# Altium PCB MB1292.PcbDoc (part 4 of 4)
Units mm, origin at the board's own origin, x right, y up, seen from the top; angles counter-clockwise.
Board outline 103.83 x 65.19 mm, 4 copper layers (L1, L2, L3, L4), stack 1.512 mm thick; 185 components, 157 nets, 707 pads, 942 vias.
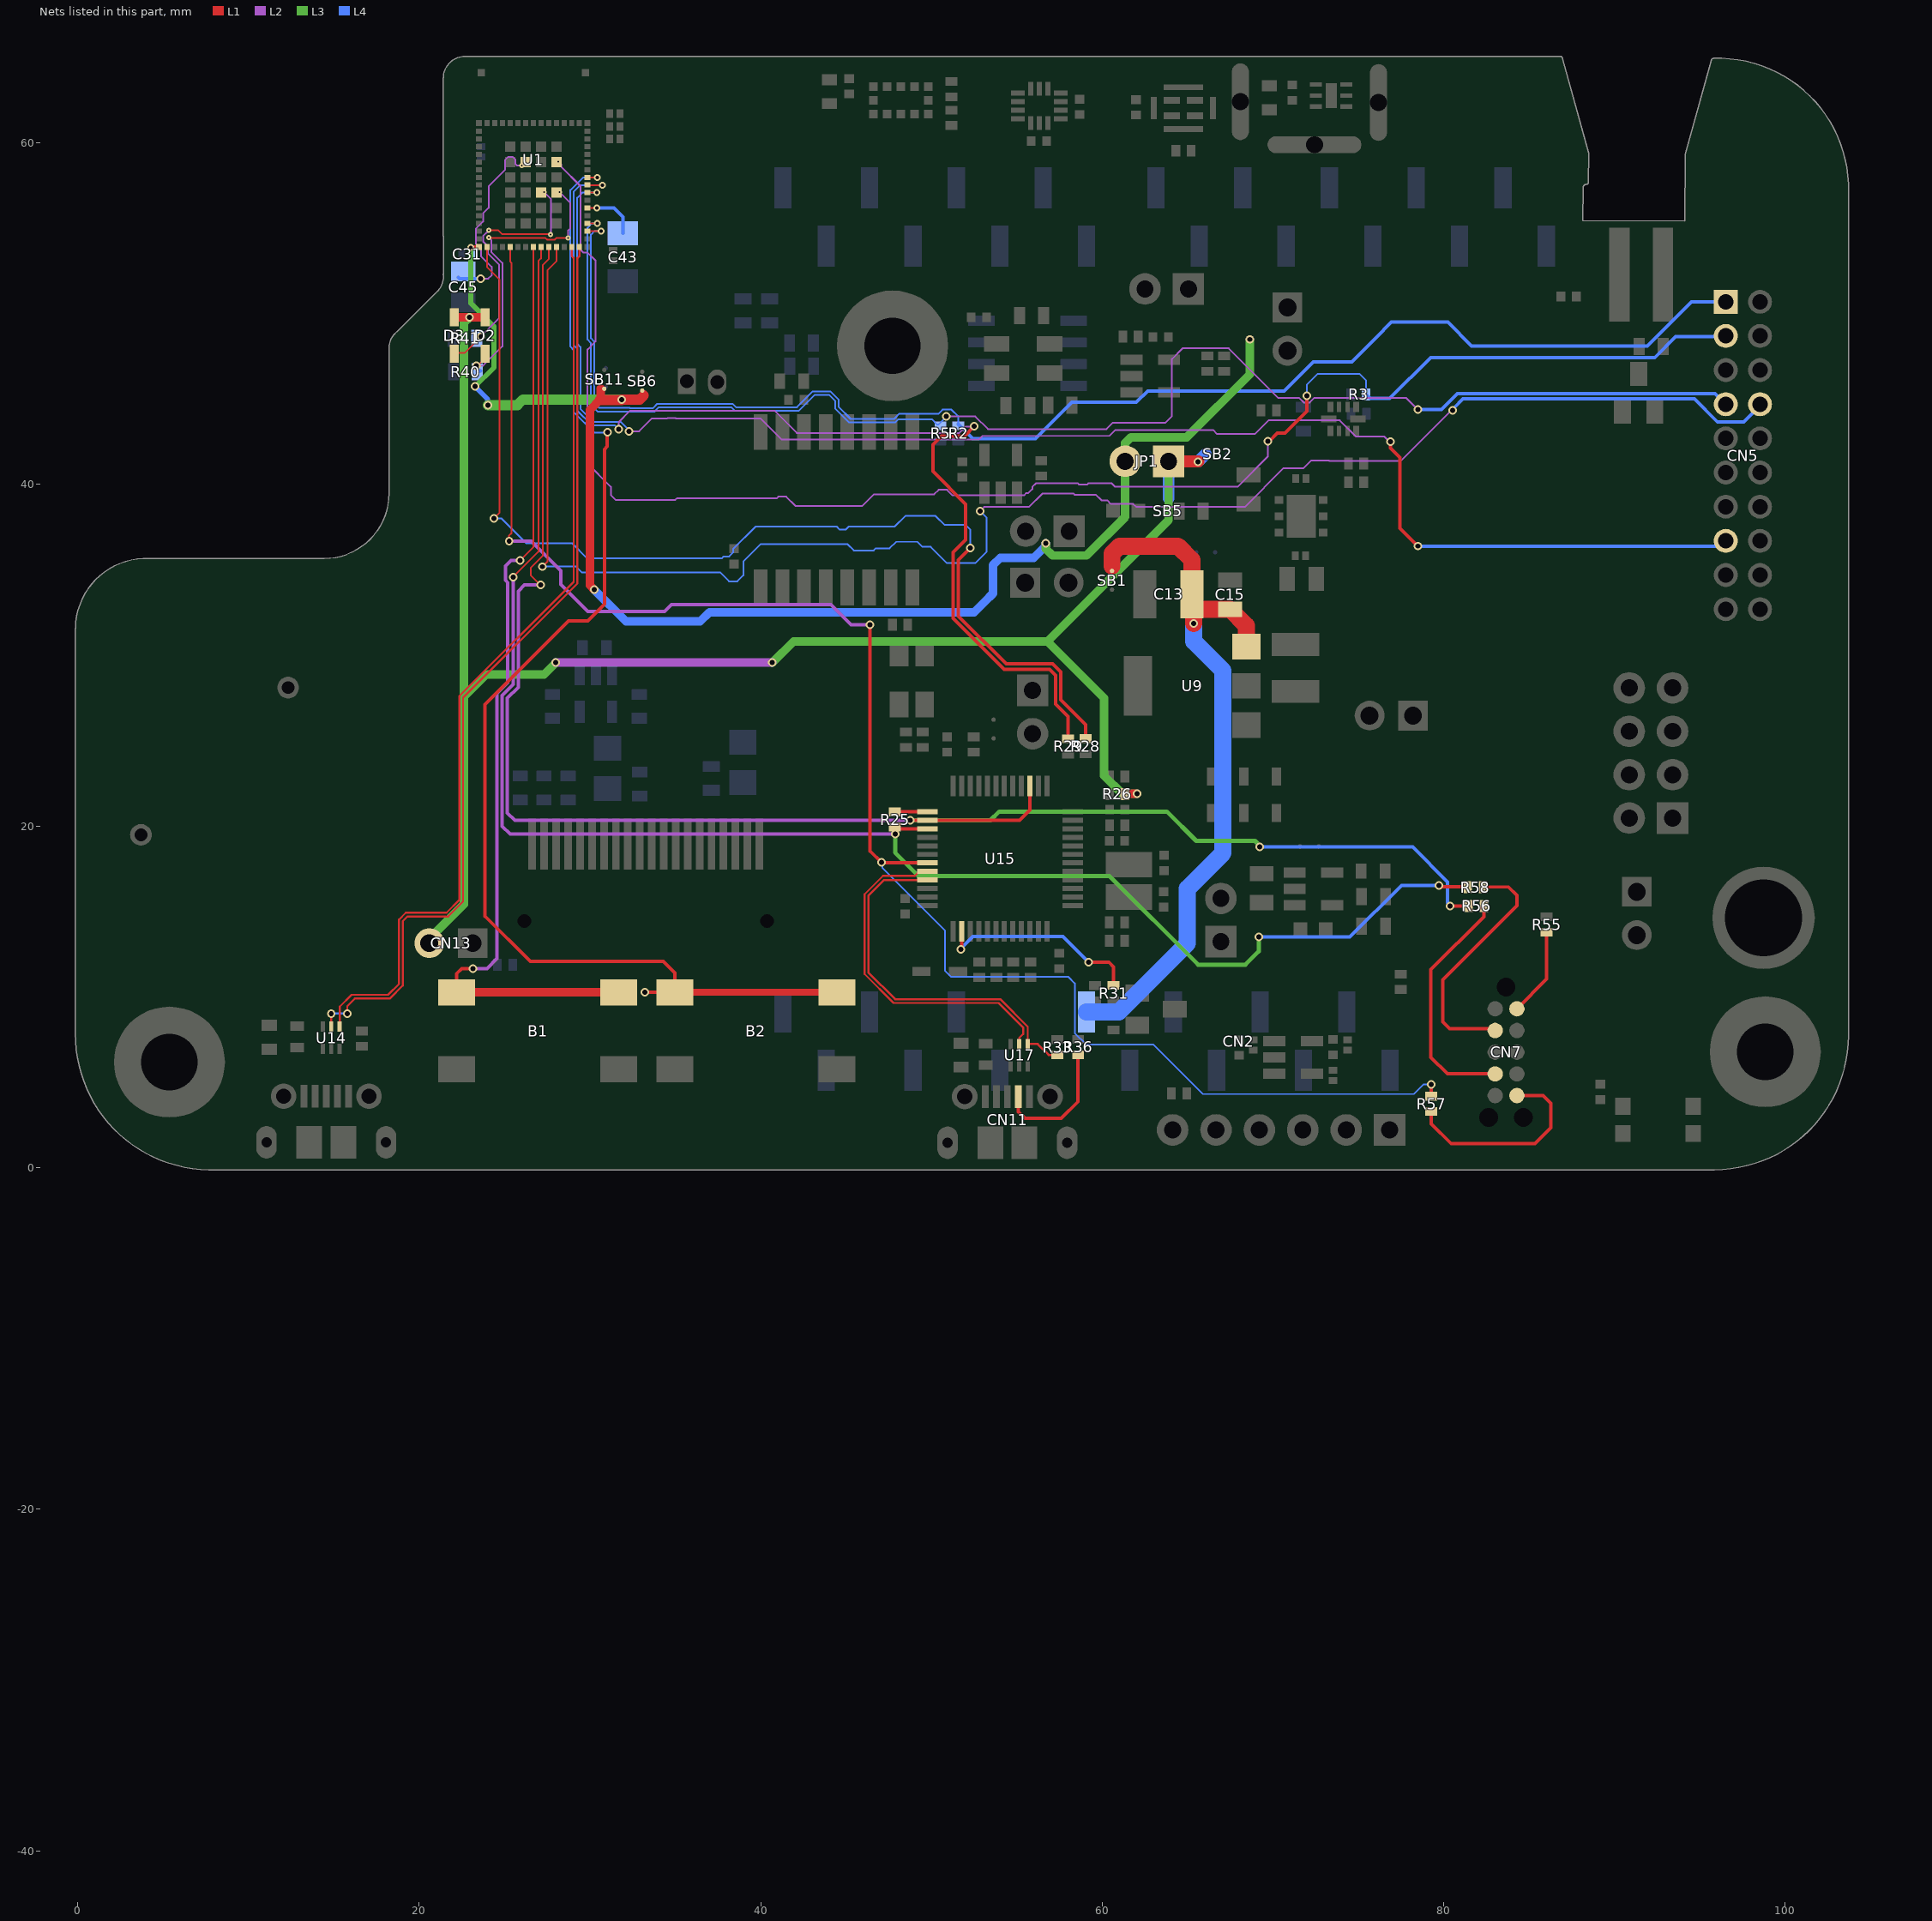
[diagram p6: the nets of this part, all layers, seen from the top]

## Via types
v1: diameter 0.5, hole 0.3, L1 to L4, tented both sides, 847 vias
v2: diameter 0.3, hole 0.1, L1 to L2, tented both sides, 48 vias
v3: diameter 0.4, hole 0.2, L1 to L4, tented both sides, 38 vias
v4: diameter 0.5, hole 0.3, L1 to L4, 4 vias
v5: diameter 0.6, hole 0.3, L1 to L4, tented both sides, 3 vias
v6: diameter 0.3, hole 0.2, L1 to L4, tented both sides, 1 vias
v7: diameter 0.5/0.5/0.5/0.5 (per signal layer), hole 0.3, L1 to L4, tented both sides, 1 vias

## Nets (pads, with @x,y where several pads share a name; then routed paths per layer and width w, separated by ;. In a path a pad name is that pad's centre, name@x,y a point inside that pad or via, vN(x,y) a via of type N, cw(c..) or ccw(c..) an arc to the next point about the centre after c; other vN are vias at no path point) (continued)
STMOD+.SPI2_MOSI: CN5.2 R3.2 U1.73 | length 94.8
  L1 w0.2: v1(69.702,42.53) 69.788,42.53 70.259,43.001 70.699,43.001 71.975,44.277 v1(71.975,45.201)
  L2 w0.1: v2(28.154,58.906) 28.315,58.745 28.315,58.608 29.454,57.469 29.454,53.739 29.606,53.587 29.848,53.587 30.333,53.102 30.333,48.375 30.293,48.335 30.293,48.333 29.883,47.923 29.881,47.923 29.845,47.887 29.845,41.25 31.23,39.865 31.23,39.376 31.512,39.094 35,39.094 35.095,39.189 40.947,39.189 41.038,39.28 41.502,39.28 42.034,38.748 44.388,38.748 44.391,38.751 45.219,38.751 45.222,38.748 45.956,38.748 46.635,39.427 50.161,39.427 50.421,39.687 50.919,39.687 51.241,39.365 55.42,39.365 55.55,39.495 55.673,39.495 55.907,39.729 55.907,39.852 56.124,40.069 58.565,40.069 58.637,39.997 59.135,39.997 59.207,40.069 60.549,40.069 60.738,39.88 67.945,39.88 69.702,41.637 v1(69.702,42.53)
  L4 w0.1: v1(71.975,45.201) 71.975,45.84 72.601,46.466 75.076,46.466 75.456,46.086 R3.2@75.456,45.277
  L4 w0.2: R3.2@75.456,45.277 75.697,45.036 76.832,45.036 79.232,47.436 92.359,47.436 93.581,48.658 96.479,48.658 CN5.2@96.518,48.697
STMOD+.SPI2_MOSI2: CN5.8 U1.38 | length 89.3
  L1 w0.1: U1.38@29.867,57.085 v3(30.412,57.085)
  L1 w0.2: U1.38@29.865,57.083 U1.38@29.867,57.085 ; v1(76.88,42.512) 76.88,42.13 77.437,41.573 77.437,37.437 v1@78.489,36.385
  L2 w0.1: v1(32.289,43.119) 32.883,43.119 33.635,43.871 34.535,43.871 34.538,43.874 35.036,43.874 35.039,43.871 39.995,43.871 41.247,42.619 52.759,42.619 52.984,42.844 60.423,42.844 60.77,43.191 66.491,43.191 66.736,42.946 68.942,42.946 69.746,43.75 73.911,43.75 74.854,42.807 76.526,42.807 76.88,42.453 v1(76.88,42.512)
  L4 w0.1: v3(30.412,57.085) 29.558,57.085 29.259,56.786 29.259,48.234 29.45,48.043 29.45,44.422 30.203,43.668 31.808,43.668 32.289,43.188 v1(32.289,43.119)
  L4 w0.2: v1@78.494,36.388 95.885,36.388 96.193,36.697 CN5.8@96.518,36.697
  L4 w0.3: v1(78.491,36.392) v1@78.494,36.388
STMOD+.SPI2_NSS: CN5.1 R2.2 U1.33 | length 85.1
  L1 w0.1: U1.33@29.865,54.833 29.87,54.838 v3(30.669,54.838)
  L4 w0.1: v3(30.669,54.838) 30.27,54.838 30.059,54.627 30.059,48.565 30.25,48.374 30.25,44.767 30.54,44.477 32.331,44.477 32.334,44.474 33.704,44.474 33.948,44.718 38.364,44.718 38.56,44.522 42.122,44.522 43.035,45.435 44.104,45.435 44.576,44.963 44.576,44.532 45.271,43.837 47.81,43.837 48.103,44.13 50.398,44.13 50.653,44.385 51.171,44.385 51.58,43.976 51.58,43.527 R2.2@51.58,43.442
  L4 w0.2: R2.2@51.58,43.527 52.433,42.674 56.098,42.674 58.23,44.806 61.996,44.806 62.669,45.479 70.657,45.479 72.352,47.174 74.618,47.174 76.024,48.58 76.943,49.499 80.235,49.499 81.627,48.107 91.921,48.107 94.511,50.697 CN5.1@96.518,50.697
STMOD+.SPI2_SCK: CN5.4 R5.2 U1.34 | length 86.8
  L1 w0.1: U1.34@29.869,55.287 v3(30.444,55.287)
  L1 w0.2: U1.34@29.865,55.283 U1.34@29.869,55.287
  L2 w0.1: v1(50.878,43.985) 52.574,43.985 53.315,43.244 60.258,43.244 60.63,43.617 63.705,43.617 64.08,43.992 64.08,47.344 64.705,47.969 67.414,47.969 70.319,45.064 71.546,45.064 71.809,44.801 72.141,44.801 72.404,45.064 77.81,45.064 v1@78.489,44.385
  L4 w0.1: v3(30.444,55.287) 30.124,55.287 29.859,55.022 29.859,48.482 30.05,48.291 30.05,44.67 30.446,44.274 33.787,44.274 34.031,44.518 38.281,44.518 38.477,44.322 42.245,44.322 43.158,45.235 44.021,45.235 44.376,44.88 44.376,44.43 45.169,43.637 47.893,43.637 48.075,43.819 50.025,43.819 50.338,43.506 50.399,43.506 v1(50.878,43.985)
  L4 w0.2: v1(78.496,44.397) 79.87,44.397 80.794,45.321 95.893,45.321 CN5.4@96.518,44.697
STMOD+.TIM2_CH1: CN5.14 U1.27 | length 100.6
  L1 w0.1: v1(27.228,35.187) 27.517,35.476 27.517,52.541 28.04,53.064 U1.27@28.04,53.908
  L2 w0.1: v1(52.852,38.442) 53.089,38.679 55.711,38.679 56.5,39.468 58.318,39.468 58.389,39.397 59.631,39.397 59.959,39.069 60.291,39.069 60.296,39.074 60.507,38.863 61.812,38.863 61.996,38.679 68.353,38.679 70.625,40.952 71.789,40.952 72.248,41.411 73.269,41.411 73.31,41.37 73.808,41.37 73.823,41.385 77.489,41.385 v1@80.486,44.383
  L4 w0.1: v1(27.228,35.187) 29.191,35.187 29.522,34.856 37.616,34.856 38.144,34.328 38.642,34.328 38.993,34.679 38.993,35.491 40.015,36.513 45.072,36.513 45.452,36.133 46.621,36.133 46.748,36.26 47.552,36.26 47.935,36.643 49.181,36.643 49.482,36.342 49.957,36.342 50.909,35.39 52.57,35.39 53.224,36.044 53.224,38.07 v1(52.852,38.442)
  L4 w0.2: v1(80.533,44.336) 80.59,44.393 80.59,44.476 81.136,45.021 94.671,45.021 96.026,43.666 97.563,43.666 98.518,44.621 CN5.14@98.518,44.697
T_SWCLK: R56.2 U1.26 U15.15 U15.26 | length 103.6
  L1 w0.1: v1(27.118,34.109) 26.539,34.688 26.539,35.12 27.25,35.831 27.25,52.855 27.59,53.195 U1.26@27.59,53.908
  L1 w0.2: v1@48.773,20.341 U15.26@49.772,20.341 55.163,20.341 55.772,20.95 U15.15@55.772,22.341 ; v1@80.383,15.317 R56.2@81.454,15.317
  L1 w0.3: v1(48.764,20.332) v1@48.773,20.341 ; v1(80.379,15.321) v1@80.383,15.317
  L2 w0.2: v1(27.118,34.109) 26.171,34.109 25.809,33.747 25.809,28.122 25.167,27.48 25.167,20.774 25.609,20.332 v1(48.764,20.332)
  L3 w0.254: v1(48.764,20.332) 53.458,20.332 53.973,20.847 63.785,20.847 65.506,19.126 68.949,19.126 69.098,18.977 69.098,18.96 69.221,18.837 v1(69.221,18.77)
  L4 w0.2: v1(69.221,18.77) 78.192,18.77 80.23,16.732 80.23,15.524 v1@80.379,15.375
  L4 w0.3: v1(80.379,15.321) v1@80.379,15.375
T_SWDIO: R25.1 R58.2 U1.25 U15.27 | length 99.9
  L1 w0.1: v1(25.509,34.574) 26.99,36.055 26.99,53.08 27.14,53.23 U1.25@27.14,53.908
  L1 w0.2: R25.1@47.858,19.926 47.943,19.841 U15.27@49.772,19.841 ; v1@79.8,16.455 R58.2@81.358,16.455
  L1 w0.3: v1(79.73,16.525) v1@79.8,16.455 ; R58.2@81.358,16.455 R58.2@81.397,16.416
  L2 w0.2: v1(25.509,34.574) 25.509,28.285 24.867,27.643 24.867,19.993 25.326,19.534 v1(47.877,19.534)
  L3 w0.254: v1(47.877,19.534) 47.877,18.443 49.257,17.063 60.437,17.063 65.617,11.883 68.389,11.883 69.165,12.659 v1(69.165,13.505)
  L4 w0.2: v1(69.165,13.505) 74.507,13.505 77.527,16.525 v1(79.73,16.525)
  L4 w0.3: v1(47.877,19.534) v1@47.914,19.497
T_SWDIO_IN: R25.2 U15.25 | length 1.9
  L1 w0.2: R25.2@47.858,20.826 47.873,20.841 U15.25@49.772,20.841
T_SWO: R57.1 U1.21 U15.31 | length 100.2
  L1 w0.1: v1(25.274,36.685) 25.274,37.018 25.412,37.156 25.412,52.967 25.34,53.039 U1.21@25.34,53.908
  L1 w0.2: v1(46.405,31.796) 46.405,18.54 47.104,17.841 U15.31@49.772,17.841 ; R57.1@79.269,4.18 v1@79.269,4.865
  L1 w0.3: v1@79.269,4.865 v1(79.278,4.874)
  L2 w0.2: v1(25.274,36.685) 26.562,36.685 28.309,34.938 28.309,34.137 29.883,32.563 34.369,32.563 34.777,32.971 44.117,32.971 45.292,31.796 v1(46.405,31.796)
  L4 w0.1: v1(47.083,17.88) 47.12,17.843 47.12,17.552 50.785,13.887 50.785,11.54 51.162,11.163 58.027,11.163 58.397,10.793 58.397,7.878 59.061,7.214 62.994,7.214 65.903,4.305 78.249,4.305 78.818,4.874 v1(79.278,4.874)
TAG_NRST: CN7.10 R55.1 | length 5.2
  L1 w0.2: CN7.10@84.284,9.297 86.023,11.036 R55.1@86.023,13.78
TAG_SWCLK: CN7.4 R56.1 | length 14.3
  L1 w0.2: R56.1@82.354,15.317 82.354,14.693 79.25,11.589 79.25,6.454 80.217,5.487 CN7.4@83.014,5.487
TAG_SWDIO: CN7.2 R58.1 | length 14.7
  L1 w0.2: R58.1@82.313,16.432 83.785,16.432 84.279,15.938 84.279,15.348 79.933,11.002 79.933,8.546 80.337,8.142 CN7.2@82.899,8.142
  L1 w0.3: R58.1@82.297,16.416 R58.1@82.313,16.432 ; CN7.2@82.899,8.142 CN7.2@83.014,8.027
TAG_SWO: CN7.6 R57.2 | length 12.3
  L1 w0.2: R57.2@79.269,3.28 79.269,2.569 80.434,1.404 85.338,1.404 86.272,2.338 86.272,3.761 85.816,4.217 CN7.6@84.284,4.217
  L1 w0.3: CN7.6@84.284,4.055 CN7.6@84.284,4.217
TSC_G4_IO1: C43.2 U1.36 | length 3.2
  L1 w0.1: U1.36@29.866,56.184 v3(30.411,56.184)
  L1 w0.2: U1.36@29.865,56.183 U1.36@29.866,56.184
  L4 w0.2: v3(30.411,56.184) 31.405,56.184 31.931,55.658 C43.2@31.931,54.703
TSC_G4_IO2: D2.2 R40.1 U1.71 | length 17.6
  L1 w0.1: v1(23.349,46.956) 23.44,46.956 23.867,47.383 D2.2@23.867,47.643 ; v2@24.092,54.425 27.405,54.425 27.5,54.33 27.939,54.33 28.035,54.426 v2(28.735,54.426)
  L2 w0.1: v1(23.349,46.956) 23.746,46.956 24.874,48.084 24.874,52.965 24.244,53.595 24.244,54.293 v2(24.092,54.445) ; v2(28.23,57.106) 28.854,56.482 28.854,54.996 28.735,54.877 v2(28.735,54.426)
  L4 w0.2: R40.1@23.408,46.588 23.467,46.647 R40.1@23.612,46.647
TSC_G6_IO1: C45.1 U1.77 | length 11.3
  L2 w0.1: v1(23.602,52.048) 24.053,52.048 24.249,52.244 24.249,52.742 23.642,53.349 23.642,53.768 23.324,54.086 23.324,54.963 23.751,55.39 23.751,55.871 24.072,56.192 24.072,57.462 25.04,58.43 25.04,59.007 25.216,59.183 25.464,59.183 25.64,59.007 25.64,58.759 25.723,58.676 v2(26.02,58.676)
  L4 w0.2: C45.1@22.307,52.112 22.371,52.048 v1(23.602,52.048)
TSC_G6_IO2: D3.2 R41.1 U1.82 | length 16
  L1 w0.1: D3.2@22.064,47.535 22.227,47.698 22.672,47.698 23.625,48.651 v1(23.625,48.666) ; v2(24.081,54.876) 24.638,54.876 24.852,54.662 27.673,54.662 v2(27.705,54.63)
  L2 w0.1: v1(23.625,48.666) 24.674,49.715 24.674,52.882 24.042,53.514 24.042,53.934 23.745,54.231 23.745,54.536 24.081,54.872 v2(24.081,54.876) ; v2(27.33,57.106) 27.713,56.723 27.713,54.638 v2(27.705,54.63) v2@27.593,54.63
  L4 w0.15: R41.1@23.364,48.541 23.5,48.541 v1(23.625,48.666)
  L4 w0.2: R41.1@23.364,48.541 R41.1@23.384,48.561
USB_N: U1.30 U14.2 | length 54.8
  L1 w0.12: U14.2@14.855,8.25 v1(14.855,9.023) ; v1(15.795,9.023) 15.795,9.455 16.235,9.895 18.275,9.895 19.046,10.666 19.046,14.43 19.318,14.702 21.703,14.702 22.577,15.576 22.577,27.513 29.275,34.211 29.275,53.258 29.39,53.373 U1.30@29.39,53.908
  L4 w0.12: v1(14.855,9.023) v1(15.795,9.023)
USB_P: U1.29 U14.1 | length 53.9
  L1 w0.12: U14.1@15.355,8.25 15.355,9.428 16.042,10.115 18.184,10.115 18.826,10.757 18.826,14.521 19.227,14.922 21.612,14.922 22.357,15.667 22.357,27.604 29.055,34.302 29.055,53.259 28.948,53.366 U1.29@28.948,53.77
USB_RENUMn: R31.2 U15.38 | length 12.2
  L1 w0.2: v1(51.736,12.782) 51.772,12.818 U15.38@51.772,13.841 ; v1(59.203,12.02) 60.398,12.02 60.673,11.745 R31.2@60.673,10.668
  L4 w0.2: v1(51.736,12.782) 51.685,12.782 52.434,13.531 57.692,13.531 v1(59.203,12.02)
USB_STLK_ID: CN11.4 R36.2 | length 7.7
  L1 w0.2: CN11.4@55.099,4.157 55.099,3.272 55.484,2.887 57.606,2.887 58.591,3.872 R36.2@58.591,6.611
USB_STLK_N: U15.32 U17.2 | length 20.6
  L1 w0.12: U15.32@49.772,17.341 49.296,17.341 49.038,17.083 47.164,17.083 46.087,16.006 46.087,11.338 47.784,9.641 53.937,9.641 55.368,8.21 55.368,7.823 55.139,7.594 U17.2@55.139,7.234
USB_STLK_P: R33.1 U15.33 U17.1 | length 22
  L1 w0.12: U15.33@49.772,16.841 47.233,16.841 46.307,15.915 46.307,11.429 47.875,9.861 54.028,9.861 55.639,8.25 U17.1@55.639,7.234 56.226,7.234 56.863,6.597 R33.1@57.374,6.597
User-B1: B1.1 B1.2 U1.24 | length 56.3
  L1 w0.1: v1(25.92,35.557) 26.69,36.327 U1.24@26.69,53.908
  L1 w0.2: B1.1@22.195,10.257 22.195,11.36 22.491,11.656 v1(23.144,11.656)
  L1 w0.5: B1.1@22.195,10.257 B1.2@31.695,10.257
  L2 w0.2: v1(23.144,11.656) 23.98,11.656 24.567,12.243 24.567,27.767 25.189,28.389 25.189,34.258 25.059,34.388 25.059,35.225 25.391,35.557 v1(25.92,35.557)
User-B2: B2.1 B2.2 U1.40 | length 74.9
  L1 w0.1: U1.40@29.865,57.983 v3@30.428,57.983
  L1 w0.2: v3@30.428,57.983 v3(30.444,57.967) ; v1(31.035,43.052) 31.021,43.038 31.021,42.226 30.86,42.065 30.86,32.983 29.887,32.01 28.748,32.01 23.847,27.109 23.847,14.724 26.506,12.065 34.307,12.065 34.972,11.4 B2.1@34.972,10.257 v1(33.23,10.257)
  L1 w0.4: B2.1@34.972,10.257 B2.2@44.472,10.257
  L4 w0.1: v3(30.444,57.967) 29.593,57.967 28.859,57.233 28.859,48.068 29.05,47.877 29.05,44.255 30.272,43.033 31.016,43.033 v1(31.035,43.052)
VCP_RX: R28.2 U1.18 | length 64
  L1 w0.1: U1.18@23.99,53.908 23.99,52.714 24.712,51.992 24.712,38.344 v1(24.381,38.013)
  L1 w0.2: v1(52.287,36.288) 51.58,35.581 51.58,32.29 54.377,29.493 57.093,29.493 57.571,29.015 57.571,27.398 59.026,25.943 R28.2@59.026,25.119
  L4 w0.1: v1(24.381,38.013) 24.811,38.013 26.267,36.557 28.953,36.557 29.842,35.668 37.719,35.668 37.837,35.786 38.157,35.786 38.391,36.02 38.391,36.21 39.714,37.533 44.457,37.533 44.639,37.351 44.971,37.351 45.153,37.533 47.851,37.533 48.475,38.157 50.242,38.157 50.775,37.624 52.002,37.624 52.287,37.339 v1(52.287,36.288)
VCP_TX: R29.1 U1.39 | length 66.2
  L1 w0.1: U1.39@29.865,57.533 29.87,57.528 v3(30.726,57.528)
  L1 w0.2: v1(52.505,43.398) 51.947,42.84 50.591,42.84 50.083,42.332 50.083,40.778 52.012,38.849 52.012,36.767 51.271,36.026 51.271,32.16 54.263,29.168 56.93,29.168 57.271,28.827 57.271,27.141 58.01,26.402 R29.1@58.01,25.112
  L2 w0.1: v1(31.679,43.232) 31.679,43.634 32.364,44.319 40.815,44.319 42.115,43.019 51.636,43.019 51.989,43.372 52.479,43.372 v1(52.505,43.398)
  L4 w0.1: v3(30.726,57.528) 29.437,57.528 29.059,57.15 29.059,48.151 29.25,47.96 29.25,44.339 30.121,43.468 31.443,43.468 v1(31.679,43.232)
VDD: C31.2 JP1.2 SB6.1 SB11.1 U1.17 | length 86.7
  L1 w0.2: v3(23.032,53.883) 23.044,53.895 23.502,53.895 U1.17@23.515,53.908
  L1 w0.5: v1(30.264,33.835) 30.005,34.094 30.005,44.365 30.591,44.951 ; 30.628,45.614 30.628,44.969 v1(31.859,44.969)
  L1 w0.6: 30.591,44.951 31.859,44.951 v1(31.859,44.969) 32.921,44.969 33.158,45.206
  L3 w0.3: v3(23.032,53.883) 23.032,50.602 24.38,49.254 24.38,46.845 23.276,45.741 v1@23.276,45.733
  L3 w0.5: v1(56.701,36.546) 56.701,36.235 57.097,35.839 59.087,35.839 61.349,38.101 JP1.2@61.349,41.355 61.349,42.423 61.68,42.754 64.947,42.754 68.648,46.455 v1(68.648,48.493)
  L3 w0.6: v1(24.031,44.645) 25.758,44.645 ; 25.757,44.645 26.081,44.969 v1(31.859,44.969)
  L4 w0.2: 53.133,33.021 53.133,33.146 53.133,33.171
  L4 w0.3: v1@23.276,45.733 24.009,45 24.009,44.667 v1(24.031,44.645)
  L4 w0.5: v1(30.264,33.835) 32.118,31.981 36.466,31.981 37.003,32.518 52.505,32.518 53.133,33.146 53.596,33.609 53.596,35.274 54.031,35.709 55.999,35.709 56.701,36.411 v1(56.701,36.546)
  other v1: 23.272,45.733
VDD_AUX: CN13.2 D2.1 D3.1 JP1.1 R26.1 SB2.2 SB5.2 | length 104.8
  L1 w0.2: R26.1@61.33,21.875 R26.1@61.339,21.884
  L1 w0.5: D3.1@22.292,49.786 22.298,49.792 v1(22.961,49.792) D2.1@23.688,49.792 ; R26.1@61.339,21.884 v1(62.035,21.884)
  L1 w0.7: JP1.1@63.889,41.355 v1@65.628,41.355
  L2 w0.5: v1(27.998,29.572) v1(40.673,29.572)
  L3 w0.5: CN13.2@20.602,13.141 20.602,13.401 22.625,15.424 22.625,27.567 ; v1(22.961,49.792) 22.622,49.453 22.622,45.645 22.625,45.642 22.625,27.567 ; v1@27.992,29.553 27.315,28.876 23.934,28.876 22.625,27.567 ; v1(40.673,29.572) 40.69,29.572 41.931,30.813 56.789,30.813 ; v1(62.035,21.884) 61.176,21.884 60.114,22.946 60.114,27.488 56.789,30.813 ; JP1.1@63.889,41.355 63.889,37.913 56.789,30.813
  L4 w0.7: 63.889,39.196 JP1.1@63.889,41.355 ; v1@65.628,41.355 66.052,41.779
  other v1: 65.609,41.328
VIN: C13.1 C15.2 CN2.8 SB1.2 U9.3 | length 42.4
  L1 w1: 60.576,35.219 60.576,35.955 61.008,36.387 64.437,36.387 65.253,35.571 C13.1@65.253,33.568 C13.1@65.253,32.692 ; v1(65.365,31.854) 65.365,32.581 C13.1@65.253,32.692 ; U9.3@68.45,30.508 68.45,31.727 C15.2@67.485,32.692 C13.1@65.253,32.692
  L4 w1: CN2.8@59.083,9.119 60.977,9.119 64.988,13.13 64.988,16.335 67.074,18.421 67.074,29.099 65.365,30.808 v1(65.365,31.854)
pads on no net: CN7.7 CN7.8 CN7.9 CN7.11 CN7.12 CN7.13 CN9.5 Designator1.1 U1.85 U4.7 U5.9 U5.10 U5.11 U6.8 U8.3 U8.4 U8.5 U8.6 U8.11 U8.12 U8.13 U10.3 U10.5 U14.4 U15.4 U15.11 U15.14 U15.16 U15.17 U15.19 U15.22 U15.29 U15.40 U15.41 U15.42 U15.43 U15.45 U15.46 U17.4 U18.5 U18.7 U19.H1

## Polygon pours and split planes (outlines as drawn)
GND on L2 "GND_L02_P037" (solid, remove dead copper, pour order 37): 21.597,62.333 29.289,62.333 29.289,64.93 34.991,64.93 36.991,64.925 103.621,64.925 103.621,0.017 -1.609,0.017 -1.609,10.823 13.963,10.823 18.712,15.571 21.597,18.456 21.588,52.993 21.588,62.273 21.562,62.273
GND on L1 "GND_L01_P031" (solid, remove dead copper, pour order 31): 21.591,62.334 29.283,62.334 29.283,64.931 34.985,64.931 36.985,64.926 103.621,64.926 103.621,0.018 -2.084,0.018 -2.084,10.814 13.902,10.814 21.591,18.503 21.582,52.994 21.582,62.274 21.556,62.274
NetR41_2 on L1 "NETR41_2_L01_P010" (solid, remove dead copper, pour order 10): 17.292,32.887 17.292,16.86 1.265,16.86 1.265,32.887
Shield on L1 "SHIELD_L01_P002" (hatched 45Degree grid 0.4 track 0.15, pour order 2): 19.171,47.727 21.278,49.621 21.278,35.762 15.194,29.677 14.018,30.853 19.171,36.006
Shield on L3 "SHIELD_L03_P014" (hatched 45Degree grid 0.508 track 0.203, pour order 14): 19.182,47.748 19.182,36.088 15.576,32.527 14.269,31.22 14.269,31.175 14.269,31.22 ccw(c9.077,24.013) 7.142,32.682 ccw(c9.331,24.854) 1.561,22.465 ccw(c9.339,25.115) 8.164,16.982 ccw(c9.215,24.716) 13.94,18.504 ccw(c9.205,24.994) 17.143,23.757 ccw(c8.834,24.903) 15.514,29.975 15.514,29.789 21.278,35.553 21.278,49.696
GND on L3 "GND_L03_P035" (solid, remove dead copper, pour order 35): 21.597,62.331 29.289,62.331 29.289,64.928 34.991,64.928 36.991,64.923 103.621,64.923 103.621,0.015 -1.331,0.015 -1.331,10.766 13.959,10.766 21.597,18.404 21.588,52.991 21.588,62.271 21.562,62.271
GND on L4 "GND_L04_P033" (solid, remove dead copper, pour order 33): 21.599,62.336 29.291,62.336 29.291,64.933 34.993,64.933 36.993,64.928 103.621,64.928 103.621,0.02 -0.438,0.02 -0.438,10.851 14.049,10.851 21.635,18.437 21.564,53.408 21.599,53.44 21.59,62.276 21.564,62.276

## Keep-outs
Keep-Out Layer:
  lines w0.1: 96.33,1.757 96.33,2.805 99.285,2.805 99.285,1.757 96.33,1.757
  lines w0.254: 0,7.889 ccw(c7.798,7.797) 7.706,0 ; 0.01,31.541 cw(c4.01,31.54) 4.182,35.536 14.427,35.536 ; 14.416,35.53 ccw(c14.416,39.48) 18.366,39.48 ; 18.369,39.48 18.369,48.027 cw(c19.404,48.01) 18.795,48.847 21.071,51.124 ccw(c20.189,52.162) 21.546,52.284 ; 21.548,52.017 21.548,54.563 ; 21.548,63.802 cw(c22.682,63.795) 22.689,64.93 ; 88.034,57.384 cw(c88.35,57.382) 88.352,57.698 ; 95.801,64.824 cw(c96.068,57.318) 103.574,57.586 ; 95.834,0 ccw(c95.839,7.734) 103.574,7.729
  lines w0.256: 0,7.889 0,31.541 ; 7.706,0 95.834,0 ; 21.548,54.563 21.548,63.802 ; 22.689,64.93 86.833,64.93 ; 86.826,64.912 88.365,59.363 ; 88.034,57.384 88.008,55.312 94.255,55.29 94.27,59.305 95.8,64.822 ; 88.352,57.698 88.361,59.401 ; 103.574,7.729 103.574,57.586

## Other copper
L1:
  text "1" at 96.696,2.034 h0.51
L2:
  text "2" at 97.255,2.033 h0.51
L3:
  text "3" at 97.955,2.023 h0.51
L4:
  text "4" at 98.59,2.026 h0.51

## Silkscreen, mask and mechanical layers (free items; w line width, h text height)
Top Overlay:
  lines w0.01: 21.586,62.328 29.286,62.328 29.286,64.928
  lines w0.2: 62.485,0.577 62.485,3.707 78.509,3.707 78.509,0.577 62.485,0.577
  lines w0.254: 0,31.523 cw(c4,31.523) 4,35.523 ; 0,31.529 0,18.523 ccw(c4,18.523) 4,14.523 ; 3.988,14.523 14.47,14.523 ; 3.988,35.523 14.416,35.523 ; 14.5,14.523 ccw(c14.5,18.523) 18.5,18.523 ; 14.5,35.523 cw(c14.5,31.523) 18.5,31.523 18.5,18.587 ; 84.422,18.52 84.422,29.67 ; 89.948,18.52 82.399,18.52 82.399,29.67 89.948,29.67 ; 92.269,38.555 92.269,42.59 93.135,43.456 94.922,45.243 94.948,45.243 ; 95.001,44.244 95.027,51.365 ; 103.409,17.935 98.753,17.935 ccw(c98.655,14.628) 98.72,11.32 103.418,11.32
  text "MB1292D" at 77.606,59.598 h2.5
  text "J" at 33.043,54.016 h15.24
  text "PD0/PA6" at 86.815,42.457 h0.7
  text "GND" at 93.298,42.458 h0.7
  text "PD4/PB5" at 86.815,41.144 h0.7
  text "5V" at 93.998,40.329 h0.7
  text "PC2/PC0" at 86.815,39.804 h0.7
  text "PD1/PB12" at 86.348,38.516 h0.7
  text "PB8" at 93.298,38.464 h0.7
  text "PB15" at 92.715,36.414 h0.7
  text "PB14" at 92.715,34.417 h0.7
  text "PA10" at 92.715,32.368 h0.7
  text "+" at 59.071,31.509 h1.5
  text "K" at 78.465,30.325 h15
  text "5V EXT" at 85.754,27.648 h0.7
  text "5V VIN" at 85.704,25.131 h0.7
  text "USB MCU" at 84.816,22.566 h0.7
  text "5V SOURCES" at 83.931,20.352 h0.8 r90
  text "USB STL" at 84.668,20.049 h0.7
  text "GND" at 95.027,12.849 h1.8 r90
  text "RESET" at 90.883,4.723 h0.7
  text "STLINK (reserved)" at 66.544,3.909 h0.7
  text "USB / STLK" at 49.755,0.661 h1.8 r90
  text "USB / USER" at 21.67,0.478 h1.8 r90
Bottom Overlay:
  rectangle: 45.114,0.809 49.769,2.113
  rectangle: 19.647,3.796 39.079,8.529
  rectangle: 19.647,0.809 45.278,3.838
  lines w0.254: 98.733,17.935 103.389,17.935 ; 98.753,17.935 ccw(c98.655,14.628) 98.72,11.32 103.431,11.32 ; 79.941,0.318 79.941,13.208 79.966,13.233 87.218,13.233 87.218,0.245 87.157,0.306 79.953,0.306 79.941,0.318
  text "1" at 40.795,59.526 h1.8 r270
  text "1" at 62.645,59.547 h1.8 r270
  text "D14" at 81.159,57.78 h1.8 r270
  text "D4" at 49.482,57.646 h1.8 r270
  text "D6" at 54.595,57.656 h1.8 r270
  text "D10" at 66.29,57.646 h1.8 r270
  text "D2" at 44.355,57.631 h1.8 r270
  text "D12" at 72.527,57.478 h1.8
  text "GND" at 76.606,57.339 h1.8 r270
  text "CN5" at 102.056,53.07 h1.8
  text "D1" at 41.88,52.443 h1.8 r270
  text "D3" at 46.996,52.45 h1.8 r270
  text "D7" at 57.01,52.442 h1.8 r270
  text "D5" at 51.929,52.435 h1.8 r270
  text "D9" at 63.554,52.423 h1.8 r270
  text "D11" at 68.706,51.542 h1.8 r270
  text "D13" at 73.617,51.542 h1.8 r270
  text "PE3" at 101.624,50.337 h0.7
  text "AVDD" at 78.872,49.798 h1.8 r270
  text "PD8" at 101.624,48.23 h0.7
  text "PA0" at 101.624,46.244 h0.7
  text "C" at 85.669,46.028 h7.62
  text "PA15" at 102.207,44.217 h0.7
  text "5V" at 100.924,42.232 h0.7
  text "GND" at 101.624,40.277 h0.7
  text "E" at 83.119,39.038 h7.62
  text "G" at 92.218,38.564 h11
  text "PC11" at 101.974,38.247 h0.7
  text "PC10" at 102.207,36.216 h0.7
  text "PA5" at 101.624,34.216 h0.7
  text "H" at 83.063,33.83 h7.62
  text "I" at 92.085,33.515 h7.62
  text "PC1" at 101.391,32.246 h0.7
  text "MB1292D" at 50.859,25.938 h2.5
  text "GND" at 95.027,16.173 h1.8 r90
  text "IOREF" at 72.029,9.006 h1.8 r270
  text "GND" at 62.032,8.992 h1.8 r270
  text "3V3" at 66.85,8.986 h1.8 r270
  text "VIN" at 56.762,8.966 h1.8 r270
  text "A3" at 44.208,8.934 h1.8 r270
  text "A1" at 49.295,8.935 h1.8 r270
  text "A5" at 38.423,8.909 h1.8 r270
  text "1" at 77.564,5.026 h1.8 r270
  text "1" at 54.737,4.96 h1.8 r270
  text "NRST" at 71.025,4.509 h1.5
  text "A4" at 41.523,4 h1.8 r270
  text "A2" at 46.519,4.011 h1.8 r270
  text "5V" at 64.559,3.981 h1.8 r270
  text "NC" at 74.62,3.76 h1.8 r270
  text "Note :" at 49.46,2.375 h1.8
  text "GND" at 59.331,2.389 h1.8 r270
  text "A0" at 53.452,2.305 h1.8 r270
Top Solder:
  rectangle: 98.747,11.517 103.571,17.727
Bottom Solder:
  rectangle: 98.73,11.517 103.585,17.727
M1-Board Shape:
  lines w0.254: -0.004,7.97 -0.004,31.607 ; 0,7.888 ccw(c7.798,7.797) 7.707,-0.001 ; 0,31.541 cw(c4.088,31.447) 4.182,35.536 ; 4.188,35.53 14.416,35.53 ; 7.706,0 95.834,0 ; 14.427,35.536 ccw(c14.426,39.479) 18.369,39.48 ; 18.366,39.48 18.386,39.501 18.386,47.853 cw(c19.466,47.994) 18.793,48.85 ; 18.795,48.847 21.276,51.328 21.276,51.341 ccw(c20.441,52.052) 21.537,52.017 ; 21.545,52.019 21.545,63.733 ; 21.558,63.733 cw(c22.733,63.743) 22.742,64.917 ; 22.795,64.928 56.638,64.928 86.638,64.928 cw(c86.665,64.703) 86.891,64.73 88.361,59.378 88.362,57.704 ccw(c88.292,57.419) 88.008,57.489 88.021,55.304 ; 88.008,55.312 94.255,55.29 ; 94.253,55.29 94.27,59.305 95.794,64.798 ; 95.801,64.823 cw(c96.068,57.318) 103.573,57.585 ; 95.833,-0.001 ccw(c95.839,7.734) 103.574,7.728
  lines w0.256: 103.574,7.729 103.574,57.586
M2-Board Dimensions:
  lines w0.01: 20.071,64.928 23.121,64.928 ; 21.586,63.254 21.586,66.008
Drill Drawing:
  drawing of 1806 lines, arcs and shapes, not listed
  text "PCB SPECIFICATIONS:" at 133.305,185.853 h2.16
  text "PCB SPECIFICATIONS:" at 133.305,185.853 h2.16
  text "A. MATERIAL;" at 133.305,180.773 h2.16
  text "A. MATERIAL;" at 133.305,180.773 h2.16
  text "FR-4," at 177.755,180.773 h2.16
  text "FR-4," at 177.755,180.773 h2.16
  text "TG-170" at 201.885,180.773 h2.16
  text "TG-170" at 201.885,180.773 h2.16
  text "TG-150" at 220.935,180.773 h2.16
  text "TG-150" at 220.935,180.773 h2.16
  text "TG-140" at 242.525,180.773 h2.16
  text "TG-140" at 242.525,180.773 h2.16
  text "B. MATERIAL FAMILY;" at 133.305,175.693 h2.16
  text "B. MATERIAL FAMILY;" at 133.305,175.693 h2.16
  text "N/A." at 177.755,175.693 h2.16
  text "N/A." at 177.755,175.693 h2.16
  text "C. SOLDERMASK COLOR;" at 133.305,170.613 h2.16
  text "C. SOLDERMASK COLOR;" at 133.305,170.613 h2.16
  text "GREEN" at 181.565,170.613 h2.16
  text "GREEN" at 181.565,170.613 h2.16
  text "BLUE" at 200.615,170.613 h2.16
  text "BLUE" at 200.615,170.613 h2.16
  text "RED" at 222.205,170.613 h2.16
  text "RED" at 222.205,170.613 h2.16
  text "BLACK" at 243.795,170.613 h2.16
  text "BLACK" at 243.795,170.613 h2.16
  text "WHITE" at 266.274,170.562 h2.16
  text "WHITE" at 266.274,170.562 h2.16
  text "BLUE" at 243.845,165.736 h2.16
  text "BLUE" at 243.845,165.736 h2.16
  text "D. SILKSCREEN COLOR;" at 133.305,165.533 h2.16
  text "D. SILKSCREEN COLOR;" at 133.305,165.533 h2.16
  text "WHITE" at 181.565,165.533 h2.16
  text "WHITE" at 181.565,165.533 h2.16
  text "YELLOW" at 200.615,165.533 h2.16
  text "YELLOW" at 200.615,165.533 h2.16
  text "BLACK" at 222.205,165.533 h2.16
  text "BLACK" at 222.205,165.533 h2.16
  text "E. SURFACE FINISH;" at 133.305,160.453 h2.16
  text "E. SURFACE FINISH;" at 133.305,160.453 h2.16
  text "ENIG" at 181.565,160.453 h2.16
  text "ENIG" at 181.565,160.453 h2.16
  text "IMMERSION SILVER" at 200.615,160.453 h2.16
  text "IMMERSION SILVER" at 200.615,160.453 h2.16
  text "IMMERSION TIN" at 243.795,160.453 h2.16
  text "IMMERSION TIN" at 243.795,160.453 h2.16
  text "HASL" at 181.565,155.373 h2.16
  text "HASL" at 181.565,155.373 h2.16
  text "HASL(PB-FREE)" at 200.615,155.373 h2.16
  text "HASL(PB-FREE)" at 200.615,155.373 h2.16
  text "GOLDEN FINGER" at 243.795,155.373 h2.16
  text "GOLDEN FINGER" at 243.795,155.373 h2.16
  text "F. IMPEDANCE CONTROL;" at 133.305,150.293 h2.16
  text "F. IMPEDANCE CONTROL;" at 133.305,150.293 h2.16
  text "NO" at 181.565,150.293 h2.16
  text "NO" at 181.565,150.293 h2.16
  text "YES" at 200.615,150.293 h2.16
  text "YES" at 200.615,150.293 h2.16
  text "(SEE IMPEDANCE TABLE FOR DETAIL INFORMATION)" at 205.695,150.293 h2.16
  text "(SEE IMPEDANCE TABLE FOR DETAIL INFORMATION)" at 205.695,150.293 h2.16
  text "G. THROUGH VIA;" at 133.305,145.213 h2.16
  text "G. THROUGH VIA;" at 133.305,145.213 h2.16
  text "PLUG THE VIAS WHICH ARE COVERED WITH SOLDERMASK ONE OR TWO SIDE." at 170.135,145.213 h2.16
  text "PLUG THE VIAS WHICH ARE COVERED WITH SOLDERMASK ONE OR TWO SIDE." at 170.135,145.213 h2.16
  text "PLUG MATERIAL:" at 170.135,140.133 h2.16
  text "PLUG MATERIAL:" at 170.135,140.133 h2.16
  text "SOLDERMASK" at 210.775,140.133 h2.16
  text "SOLDERMASK" at 210.775,140.133 h2.16
  text "NON-CONDUCTIVE EPOXY." at 243.795,140.133 h2.16
  text "NON-CONDUCTIVE EPOXY." at 243.795,140.133 h2.16
  text "H. STACK-UP;" at 133.305,135.053 h2.16
  text "H. STACK-UP;" at 133.305,135.053 h2.16
  text "SEE LAYER STACK-UP SEQUENCE FOR OVERALL THICKNESS." at 170.135,135.053 h2.16
  text "SEE LAYER STACK-UP SEQUENCE FOR OVERALL THICKNESS." at 170.135,135.053 h2.16
  text "PCB REQUIREMENTS:" at 133.051,127.433 h2.16
  text "PCB REQUIREMENTS:" at 133.051,127.433 h2.16
  text "1. THIS BOARD WILL CONFORM TO:" at 131.781,122.353 h2.16
  text "1. THIS BOARD WILL CONFORM TO:" at 131.781,122.353 h2.16
  text "IPC-A-600. CURRENT REV., CLASS II" at 131.781,118.543 h2.16
  text "IPC-A-600. CURRENT REV., CLASS II" at 131.781,118.543 h2.16
  text "IPC-6012, CURRENT REV., CLASS II" at 131.781,114.733 h2.16
  text "IPC-6012, CURRENT REV., CLASS II" at 131.781,114.733 h2.16
  text "2. UNLESS OTHERWISE SPECIFIED ALL HOLE DIMENSIONS APPLY AFTER PLATING." at 131.781,109.399 h2.16
  text "2. UNLESS OTHERWISE SPECIFIED ALL HOLE DIMENSIONS APPLY AFTER PLATING." at 131.781,109.399 h2.16
  text "ALL HOLES SHALL BE LOCATED WITHIN .003\" DIAMETER OF TRUE POSITION." at 131.781,105.589 h2.16
  text "ALL HOLES SHALL BE LOCATED WITHIN .003\" DIAMETER OF TRUE POSITION." at 131.781,105.589 h2.16
  text "3. PLATED HOLE WALL THICKNESS SHALL NOT BE LESS THAN .001 INCH MINIMUM" at 131.781,100.509 h2.16
  text "3. PLATED HOLE WALL THICKNESS SHALL NOT BE LESS THAN .001 INCH MINIMUM" at 131.781,100.509 h2.16
  text "AVERAGE, WITH NO READING LESS THAN .0008 BY COROSS SECTION." at 136.353,96.953 h2.16
  text "AVERAGE, WITH NO READING LESS THAN .0008 BY COROSS SECTION." at 136.353,96.953 h2.16
  text "4. MATERIAL FR4 RATING 94V-0 MINIMUM EPOXY GLASS LAMINATE." at 131.781,91.619 h2.16
  text "4. MATERIAL FR4 RATING 94V-0 MINIMUM EPOXY GLASS LAMINATE." at 131.781,91.619 h2.16
  text "5. BOARD SHALL BE LPI SOLDER MASKED OVER BARE COPPER BOTH SIDES PER" at 131.781,87.047 h2.16
  text "5. BOARD SHALL BE LPI SOLDER MASKED OVER BARE COPPER BOTH SIDES PER" at 131.781,87.047 h2.16
  text "IPC-SM-840 CLASS II." at 131.781,83.237 h2.16
  text "IPC-SM-840 CLASS II." at 131.781,83.237 h2.16
  text "6. SILKSCREEN SHALL BE PERMANENT NON-CONDUCTIVE INK AND WITH NO OVERLAP" at 131.781,78.157 h2.16
  text "6. SILKSCREEN SHALL BE PERMANENT NON-CONDUCTIVE INK AND WITH NO OVERLAP" at 131.781,78.157 h2.16
  text "ON ANY COMPONENT PAD OR THROUGH HOLE." at 131.781,74.347 h2.16
  text "ON ANY COMPONENT PAD OR THROUGH HOLE." at 131.781,74.347 h2.16
  text "7. MFGR, TO LEGIBLY ETCH OR STAMP/SCREEN WITH PERMANENT NON-CONDUCTIVE INK" at 131.781,69.267 h2.16
  text "7. MFGR, TO LEGIBLY ETCH OR STAMP/SCREEN WITH PERMANENT NON-CONDUCTIVE INK" at 131.781,69.267 h2.16
  text "D. MFGR. LOGO" at 178.771,65.965 h2.16
  text "D. MFGR. LOGO" at 178.771,65.965 h2.16
  text "A. U.L. CODE" at 139.147,65.457 h2.16
  text "A. U.L. CODE" at 139.147,65.457 h2.16
  text "E. SUCCESSFUL ELECTRICAL BOARD TEST." at 178.771,62.409 h2.16
  text "E. SUCCESSFUL ELECTRICAL BOARD TEST." at 178.771,62.409 h2.16
  text "B. DATE CODE" at 139.147,61.901 h2.16
  text "B. DATE CODE" at 139.147,61.901 h2.16
  text "C. FLAMMABILITY RATING" at 139.147,58.345 h2.16
  text "C. FLAMMABILITY RATING" at 139.147,58.345 h2.16
  text "8. REMOVE THE FLASHS WHICH SMALLER THAN HOLE SIZE." at 131.781,53.011 h2.16
  text "8. REMOVE THE FLASHS WHICH SMALLER THAN HOLE SIZE." at 131.781,53.011 h2.16
  text "9. REMOVE ALL SHAPE EDGES AND BURRS .005 MAXIMUM." at 131.781,47.931 h2.16
  text "9. REMOVE ALL SHAPE EDGES AND BURRS .005 MAXIMUM." at 131.781,47.931 h2.16
  text "10. PLEASE USE THE SUPPLIED IPC 356 NETLIST TO VERIFY BOARD BEFORE" at 131.781,42.597 h2.16
  text "10. PLEASE USE THE SUPPLIED IPC 356 NETLIST TO VERIFY BOARD BEFORE" at 131.781,42.597 h2.16
  text "FABRICATING BOARD." at 131.781,38.787 h2.16
  text "FABRICATING BOARD." at 131.781,38.787 h2.16
  text "Layer" at 132.837,15.683 h1.52
  text "Name" at 143.248,15.683 h1.52
  text "Material" at 166.864,15.683 h1.52
  text "Thickness" at 188.702,15.683 h1.52
  text "Constant" at 205.208,15.683 h1.52
  text "Board Layer Stack" at 219.682,15.683 h1.52
  text "Board Layer Stack" at 248.122,15.683 h1.52
  text "Board Layer Stack" at 276.562,15.683 h1.52
  text "Board Layer Stack" at 305.002,15.683 h1.52
  text "Board Layer Stack" at 333.442,15.683 h1.52
  text "Board Layer Stack" at 361.882,15.683 h1.52
  text "Top Overlay" at 143.248,12.635 h1.52
  text "Top Solder" at 143.248,9.587 h1.52
  text "Solder Resist" at 166.864,9.587 h1.52
  text "0.59mil" at 188.702,9.587 h1.52
  text "3.5" at 205.208,9.587 h1.52
  text "1" at 132.837,6.539 h1.52
  text "L1" at 143.248,6.539 h1.52
  text "1.38mil" at 188.702,6.539 h1.52
  text "Dielectric 1" at 143.248,3.491 h1.52
  text "FR-4" at 166.864,3.491 h1.52
  text "2.76mil" at 188.702,3.491 h1.52
  text "4.2" at 205.208,3.491 h1.52
  text "2" at 132.837,0.443 h1.52
  text "L2" at 143.248,0.443 h1.52
  text "1.42mil" at 188.702,0.443 h1.52
  text "Dielectric 3" at 143.248,-2.605 h1.52
  text "48.43mil" at 188.702,-2.605 h1.52
  text "4.2" at 205.208,-2.605 h1.52
  text "3" at 132.837,-5.653 h1.52
  text "L3" at 143.248,-5.653 h1.52
  text "1.42mil" at 188.702,-5.653 h1.52
  text "Dielectric 2" at 143.248,-8.701 h1.52
  text "2.76mil" at 188.702,-8.701 h1.52
  text "4.2" at 205.208,-8.701 h1.52
  text "4" at 132.837,-11.749 h1.52
  text "L4" at 143.248,-11.749 h1.52
  text "1.38mil" at 188.702,-11.749 h1.52
  text "Bottom Solder" at 143.248,-14.797 h1.52
  text "Solder Resist" at 166.864,-14.797 h1.52
  text "0.59mil" at 188.702,-14.797 h1.52
  text "3.5" at 205.208,-14.797 h1.52
  text "Bottom Overlay" at 143.248,-17.845 h1.52
  text "Symbol" at 133.62,-21.839 h2.16
  text "Count" at 142.082,-21.839 h2.16
  text "Hole Size" at 150.86,-21.839 h2.16
  text "Plated" at 167.355,-21.839 h2.16
  text "Hole Type" at 174.784,-21.839 h2.16
  text "Drill Layer Pair" at 185.598,-21.839 h2.16
  text "Via/Pad" at 200.391,-21.839 h2.16
  text "Pad Shape" at 209.252,-21.839 h2.16
  text "Template" at 220.828,-21.839 h2.16
  text "Description" at 246.826,-21.839 h2.16
  text "Hole Tolerance (+)" at 258.452,-21.839 h2.16
  text "Hole Tolerance (-)" at 276.531,-21.839 h2.16
  text "Hole Length" at 294.124,-21.839 h2.16
  text "Routed Path Length" at 310.619,-21.839 h2.16
  text "1" at 142.082,-25.567 h1.8
  text "1.00mm (39.37mil)" at 150.86,-25.567 h1.8
  text "NPTH" at 167.355,-25.567 h1.8
  text "Slot" at 174.784,-25.567 h1.8
  text "L1 - L4" at 185.598,-25.567 h1.8
  text "Pad" at 200.391,-25.567 h1.8
  text "Rounded" at 209.252,-25.567 h1.8
  text "r100_550hn100_550r100" at 220.828,-25.567 h1.8
  text "5.50mm (216.54mil)" at 294.124,-25.567 h1.8
  text "4.50mm (177.17mil)" at 310.619,-25.567 h1.8
  text "B" at 132.893,-25.821 h1.66
  text "1" at 142.082,-29.295 h1.8
  text "4.50mm (177.17mil)" at 150.86,-29.295 h1.8
  text "PTH" at 167.355,-29.295 h1.8
  text "Round" at 174.784,-29.295 h1.8
  text "L1 - L4" at 185.598,-29.295 h1.8
  text "Pad" at 200.391,-29.295 h1.8
  text "Rounded" at 209.252,-29.295 h1.8
  text "c600h450" at 220.828,-29.295 h1.8
  text "-" at 294.124,-29.295 h1.8
  text "-" at 310.619,-29.295 h1.8
  text "2" at 142.082,-33.024 h1.8
  text "0.75mm (29.53mil)" at 150.86,-33.024 h1.8
  text "PTH" at 167.355,-33.024 h1.8
  text "Round" at 174.784,-33.024 h1.8
  text "L1 - L4" at 185.598,-33.024 h1.8
  text "Pad" at 200.391,-33.024 h1.8
  text "Rounded" at 209.252,-33.024 h1.8
  text "c127h75" at 220.828,-33.024 h1.8
  text "-" at 294.124,-33.024 h1.8
  text "-" at 310.619,-33.024 h1.8
  text "2" at 142.082,-36.752 h1.8
  text "0.80mm (31.50mil)" at 150.86,-36.752 h1.8
  text "NPTH" at 167.355,-36.752 h1.8
  text "Round" at 174.784,-36.752 h1.8
  text "L1 - L4" at 185.598,-36.752 h1.8
  text "Pad" at 200.391,-36.752 h1.8
  text "Rounded" at 209.252,-36.752 h1.8
  text "c50hn80" at 220.828,-36.752 h1.8
  text "-" at 294.124,-36.752 h1.8
  text "-" at 310.619,-36.752 h1.8
  text "2" at 142.082,-40.48 h1.8
  text "0.80mm (31.50mil)" at 150.86,-40.48 h1.8
  text "PTH" at 167.355,-40.48 h1.8
  text "Round" at 174.784,-40.48 h1.8
  text "L1 - L4" at 185.598,-40.48 h1.8
  text "Pad" at 200.391,-40.48 h1.8
  text "(Mixed)" at 209.252,-40.48 h1.8
  text "(Mixed)" at 220.828,-40.48 h1.8
  text "-" at 294.124,-40.48 h1.8
  text "-" at 310.619,-40.48 h1.8
  text "2" at 142.082,-44.208 h1.8
  text "1.00mm (39.37mil)" at 150.86,-44.208 h1.8
  text "NPTH" at 167.355,-44.208 h1.8
  text "Slot" at 174.784,-44.208 h1.8
  text "L1 - L4" at 185.598,-44.208 h1.8
  text "Pad" at 200.391,-44.208 h1.8
  text "Rounded" at 209.252,-44.208 h1.8
  text "r100_450hn100_450r100" at 220.828,-44.208 h1.8
  text "4.50mm (177.17mil)" at 294.124,-44.208 h1.8
  text "3.50mm (137.79mil)" at 310.619,-44.208 h1.8
  text "3" at 142.082,-47.937 h1.8
  text "1.10mm (43.31mil)" at 150.86,-47.937 h1.8
  text "NPTH" at 167.355,-47.937 h1.8
  text "Round" at 174.784,-47.937 h1.8
  text "L1 - L4" at 185.598,-47.937 h1.8
  text "Pad" at 200.391,-47.937 h1.8
  text "Rounded" at 209.252,-47.937 h1.8
  text "c0hn110m115" at 220.828,-47.937 h1.8
  text "-" at 294.124,-47.937 h1.8
  text "-" at 310.619,-47.937 h1.8
  text "3" at 142.082,-51.665 h1.8
  text "3.30mm (129.92mil)" at 150.86,-51.665 h1.8
  text "PTH" at 167.355,-51.665 h1.8
  text "Round" at 174.784,-51.665 h1.8
  text "L1 - L4" at 185.598,-51.665 h1.8
  text "Pad" at 200.391,-51.665 h1.8
  text "Rounded" at 209.252,-51.665 h1.8
  text "(Mixed)" at 220.828,-51.665 h1.8
  text "-" at 294.124,-51.665 h1.8
  text "-" at 310.619,-51.665 h1.8
  text "4" at 142.082,-55.393 h1.8
  text "0.60mm (23.62mil)" at 150.86,-55.393 h1.8
  text "PTH" at 167.355,-55.393 h1.8
  text "Slot" at 174.784,-55.393 h1.8
  text "L1 - L4" at 185.598,-55.393 h1.8
  text "Pad" at 200.391,-55.393 h1.8
  text "Rounded" at 209.252,-55.393 h1.8
  text "r190_120h60_130r100m195_125" at 220.828,-55.393 h1.8
  text "1.30mm (51.18mil)" at 294.124,-55.393 h1.8
  text "0.70mm (27.56mil)" at 310.619,-55.393 h1.8
  text "10" at 142.082,-59.121 h1.8
  text "1.05mm (41.34mil)" at 150.86,-59.121 h1.8
  text "PTH" at 167.355,-59.121 h1.8
  text "Round" at 174.784,-59.121 h1.8
  text "L1 - L4" at 185.598,-59.121 h1.8
  text "Pad" at 200.391,-59.121 h1.8
  text "(Mixed)" at 209.252,-59.121 h1.8
  text "(Mixed)" at 220.828,-59.121 h1.8
  text "-" at 294.124,-59.121 h1.8
  text "-" at 310.619,-59.121 h1.8
  text "24" at 142.082,-62.849 h1.8
  text "0.90mm (35.43mil)" at 150.86,-62.849 h1.8
  text "PTH" at 167.355,-62.849 h1.8
  text "Round" at 174.784,-62.849 h1.8
  text "L1 - L4" at 185.598,-62.849 h1.8
  text "Pad" at 200.391,-62.849 h1.8
  text "(Mixed)" at 209.252,-62.849 h1.8
  text "(Mixed)" at 220.828,-62.849 h1.8
  text "-" at 294.124,-62.849 h1.8
  text "-" at 310.619,-62.849 h1.8
  text "24" at 142.082,-66.578 h1.8
  text "1.00mm (39.37mil)" at 150.86,-66.578 h1.8
  text "PTH" at 167.355,-66.578 h1.8
  text "Round" at 174.784,-66.578 h1.8
  text "L1 - L4" at 185.598,-66.578 h1.8
  text "Pad" at 200.391,-66.578 h1.8
  text "(Mixed)" at 209.252,-66.578 h1.8
  text "(Mixed)" at 220.828,-66.578 h1.8
  text "-" at 294.124,-66.578 h1.8
  text "-" at 310.619,-66.578 h1.8
  text "39" at 142.082,-70.306 h1.8
  text "0.20mm (7.87mil)" at 150.86,-70.306 h1.8
  text "PTH" at 167.355,-70.306 h1.8
  text "Round" at 174.784,-70.306 h1.8
  text "L1 - L4" at 185.598,-70.306 h1.8
  text "Via" at 200.391,-70.306 h1.8
  text "Rounded" at 209.252,-70.306 h1.8
  text "(Mixed)" at 220.828,-70.306 h1.8
  text "-" at 294.124,-70.306 h1.8
  text "-" at 310.619,-70.306 h1.8
  text "855" at 142.082,-74.034 h1.8
  text "0.30mm (11.81mil)" at 150.86,-74.034 h1.8
  text "PTH" at 167.355,-74.034 h1.8
  text "Round" at 174.784,-74.034 h1.8
  text "L1 - L4" at 185.598,-74.034 h1.8
  text "Via" at 200.391,-74.034 h1.8
  text "Rounded" at 209.252,-74.034 h1.8
  text "(Mixed)" at 220.828,-74.034 h1.8
  text "-" at 294.124,-74.034 h1.8
  text "-" at 310.619,-74.034 h1.8
  text "972 Total" at 142.082,-77.762 h1.8
  text "Slot definitions :" at 133.62,-80.372 h1.8
  text "Routed Path Length" at 145.906,-80.372 h1.8
  text "= Calculated from tool start centre position to tool end centre position." at 161.126,-80.372 h1.8
  text "Hole Length" at 145.906,-81.863 h1.8
  text "= Routed Path Length + Tool Size = Slot length as defined in the PCB layout" at 155.475,-81.863 h1.8

## Dimensions
47.723,48.113 to 22.689,64.93 on M3-Top Dimensions
47.723,48.113 to 103.574,57.586 on M3-Top Dimensions
98.828,6.782 to 103.574,7.729 on M3-Top Dimensions
98.828,6.782 to 95.834,0 on M3-Top Dimensions
5.381,6.178 to 7.706,0 on M3-Top Dimensions
5.381,6.178 to 0,7.889 on M3-Top Dimensions
103.574,57.586 to 95.8,64.822 on M2-Board Dimensions
22.689,64.93 to 7.706,0 on M2-Board Dimensions
21.548,52.017 to 22.689,64.93 on M2-Board Dimensions
4.182,35.536 to 22.689,64.93 on M2-Board Dimensions
4.182,35.536 to 18.369,48.027 on M2-Board Dimensions
95.8,64.822 to 86.826,64.912 on M2-Board Dimensions
86.833,64.93 to 21.548,63.802 on M2-Board Dimensions
21.548,54.563 to 18.369,48.027 on M2-Board Dimensions
-0.017,16.286 to 18.361,40.033 on M2-Board Dimensions
95.834,0 to 95.801,64.824 on M2-Board Dimensions
103.58,9.499 to 0.021,9.79 on M2-Board Dimensions

## Text inside footprints (layer, text, board x,y; h text height)
B3: M14-Top Assembly "4" at 90.547,1.67 h1; M14-Top Assembly "2" at 94.122,1.67 h1; M14-Top Assembly "3" at 90.547,3.27 h1; M14-Top Assembly "1" at 94.322,3.27 h1; Top Overlay "1" at 94.897,3.57 h1.5
CN1: M15-Bottom Assembly "10" at 86.705,53.29 h1.5; M15-Bottom Assembly "9" at 83.81,57.113 h1.5; M15-Bottom Assembly "7" at 78.724,57.113 h1.5; M15-Bottom Assembly "8" at 81.245,53.315 h1.5; M15-Bottom Assembly "6" at 76.164,53.315 h1.5; M15-Bottom Assembly "4" at 71.084,53.315 h1.5; M15-Bottom Assembly "2" at 66.004,53.315 h1.5; M15-Bottom Assembly "5" at 73.672,57.115 h1.5; M15-Bottom Assembly "3" at 68.572,57.115 h1.5; M15-Bottom Assembly "1" at 63.337,57.062 h1.5; Bottom Overlay "D15" at 83.839,51.505 h1.8 r270; Bottom Overlay "D8" at 61.194,57.637 h1.8 r270
CN2: M15-Bottom Assembly "7" at 61.9,5 h1.5; M15-Bottom Assembly "5" at 67,5 h1.5; M15-Bottom Assembly "8" at 59.4,8.8 h1.5; M15-Bottom Assembly "6" at 64.5,8.8 h1.5; M15-Bottom Assembly "4" at 69.55,8.8 h1.5; M15-Bottom Assembly "2" at 74.65,8.8 h1.5; M15-Bottom Assembly "3" at 72.1,5 h1.5; M15-Bottom Assembly "1" at 77,5 h1.5
CN3: M15-Bottom Assembly "5" at 44.2,5 h1.5; M15-Bottom Assembly "3" at 49.2,5 h1.5; M15-Bottom Assembly "1" at 54.2,5 h1.5; M15-Bottom Assembly "6" at 41.6,8.8 h1.5; M15-Bottom Assembly "4" at 46.7,8.8 h1.5; M15-Bottom Assembly "2" at 51.8,8.8 h1.5
CN4: M15-Bottom Assembly "1" at 41.493,57.062 h1.5; M15-Bottom Assembly "3" at 46.728,57.115 h1.5; M15-Bottom Assembly "5" at 51.828,57.115 h1.5; M15-Bottom Assembly "2" at 44.16,53.315 h1.5; M15-Bottom Assembly "4" at 49.24,53.315 h1.5; M15-Bottom Assembly "6" at 54.32,53.315 h1.5; M15-Bottom Assembly "8" at 59.401,53.315 h1.5; M15-Bottom Assembly "7" at 56.88,57.113 h1.5; Bottom Overlay "D0" at 39.537,57.618 h1.5 r270
CN5: M14-Top Assembly "20" at 99.018,31.922 h1.5 r90; M14-Top Assembly "10" at 97.093,31.947 h1.5 r90; M14-Top Assembly "1" at 96.993,50.497 h1.5 r90; M14-Top Assembly "11" at 99.018,50.122 h1.5 r90; Top Overlay "1" at 96.993,51.722 h1.5 r90; Top Overlay "11" at 98.993,51.672 h1.5 r90
CN6: M14-Top Assembly "1" at 13.016,3.579 h1.5; M14-Top Assembly "5" at 15.566,3.579 h1.5; Top Overlay "1" at 10.066,3.654 h1.5; M7-Top Info "EDGE" at 18.916,-0.671 h1; M7-Top Info "PCB" at 8.316,-0.696 h1
CN7: M14-Top Assembly "2" at 83.345,7.797 h1 r90; M14-Top Assembly "3" at 83.364,6.571 h1 r90; M14-Top Assembly "4" at 83.345,5.231 h1 r90; M14-Top Assembly "5" at 83.345,3.947 h1 r90; M14-Top Assembly "6" at 84.609,3.967 h1 r90; M14-Top Assembly "7" at 84.647,5.269 h1 r90; M14-Top Assembly "8" at 84.609,6.552 h1 r90; M14-Top Assembly "9" at 84.59,7.816 h1 r90; M14-Top Assembly "10" at 84.59,8.87 h1 r90; M14-Top Assembly "1" at 83.326,9.08 h1 r90
CN8: M14-Top Assembly "2" at 57.719,33.746 h1.5; M14-Top Assembly "1" at 55.242,33.746 h1.5; Top Overlay "1" at 53.591,33.754 h1.5
CN9: M14-Top Assembly "6" at 63.745,1.826 h1.5; M14-Top Assembly "1" at 76.445,1.826 h1.5; Top Overlay "1" at 78.957,1.272 h1.5
CN10: M14-Top Assembly "1" at 56.311,27.732 h1.5 r90; Top Overlay "1" at 55.477,29.751 h1.5 r270
CN11: M14-Top Assembly "1" at 52.899,3.557 h1.5; M14-Top Assembly "5" at 55.449,3.557 h1.5; Top Overlay "1" at 49.949,3.632 h1.5; M7-Top Info "EDGE" at 58.799,-0.693 h1; M7-Top Info "PCB" at 48.199,-0.718 h1
CN12: M14-Top Assembly "2" at 71.352,47.533 h1.5 r90; M14-Top Assembly "1" at 71.352,50.162 h1.5 r90; Top Overlay "1" at 71.175,51.892 h1.5 r90
CN13: M14-Top Assembly "1" at 23.142,12.76 h1.5; M14-Top Assembly "2" at 20.221,12.76 h1.5; Top Overlay "1" at 24.663,12.818 h1.5
CN14: M14-Top Assembly "1" at 78.454,26.976 h1.5 r180; M14-Top Assembly "2" at 75.977,26.976 h1.5 r180; Top Overlay "1" at 80.105,26.968 h1.5 r180
CN15: M14-Top Assembly "2" at 91.772,13.232 h1.5 r90; M14-Top Assembly "1" at 91.772,15.956 h1.5 r90; Top Overlay "1" at 90.807,18.058 h1.5 r270
CN16: M14-Top Assembly "1" at 35.586,44.914 h1.3
D1: M14-Top Assembly "K" at 51.516,11.087 h1.2
D2: M14-Top Assembly "K" at 23.692,49.613 h0.75 r90
D3: M14-Top Assembly "K" at 21.882,49.616 h0.75 r90
D5: M14-Top Assembly "K" at 66.764,20.273 h1.2 r90
D6: M14-Top Assembly "K" at 68.712,20.266 h1.2 r90
D7: M14-Top Assembly "K" at 70.583,20.203 h1.2 r90